# Altium PCB PCB2.PcbDoc (part 1 of 4)
Units mil, origin at the board's own origin, x right, y up, seen from the top; angles counter-clockwise.
Board outline 9200.4 x 4356.3 mil, 4 copper layers (Top Layer, Layer 1, Layer 2, Bottom Layer), stack 23.756 mil thick; 338 components, 1355 nets, 1355 pads, 694 vias.
Unrouted connection lines stored in the file: 1569.
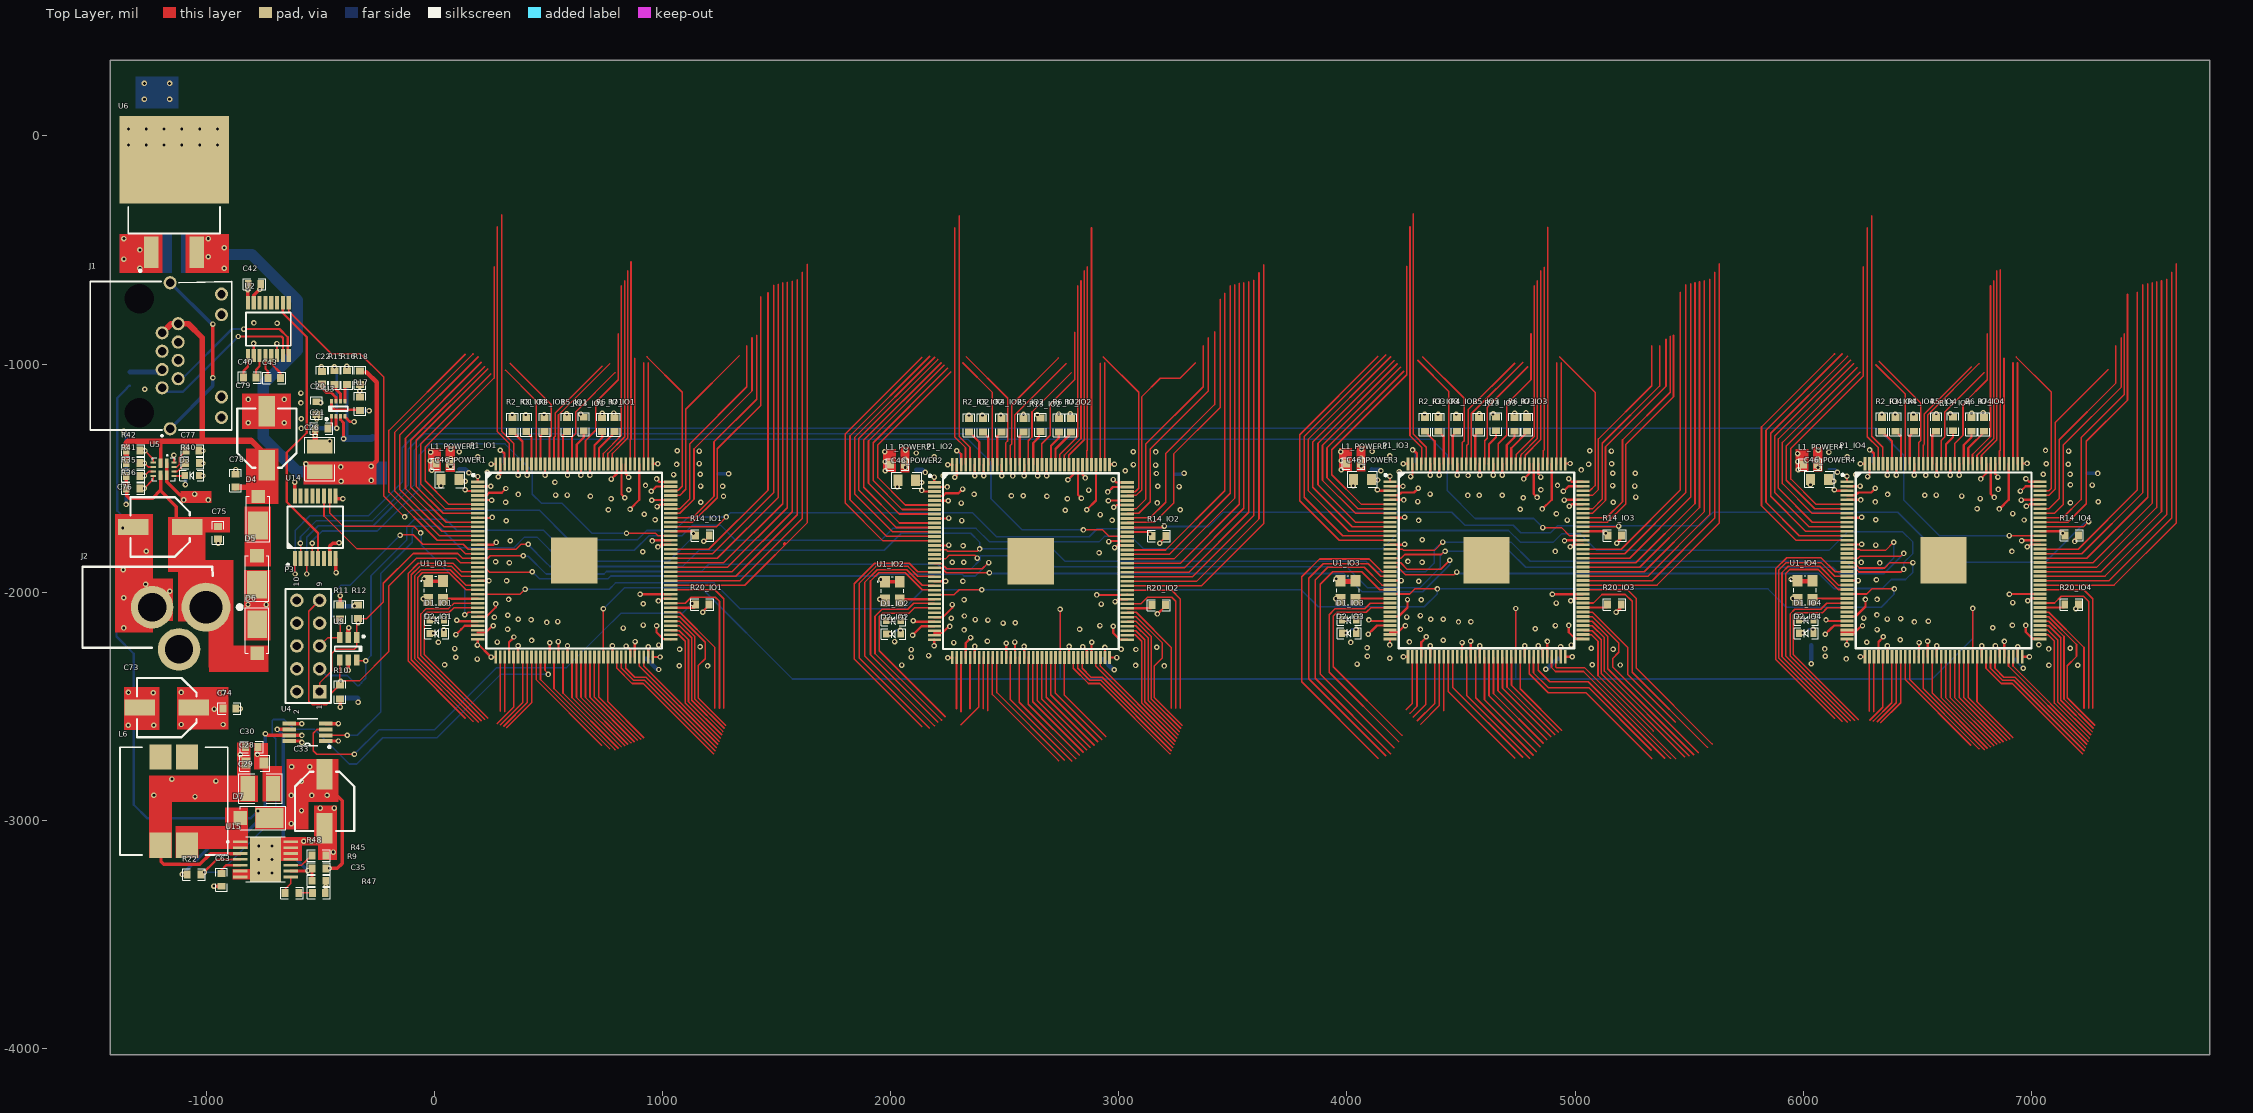
[diagram p0: Top Layer view]
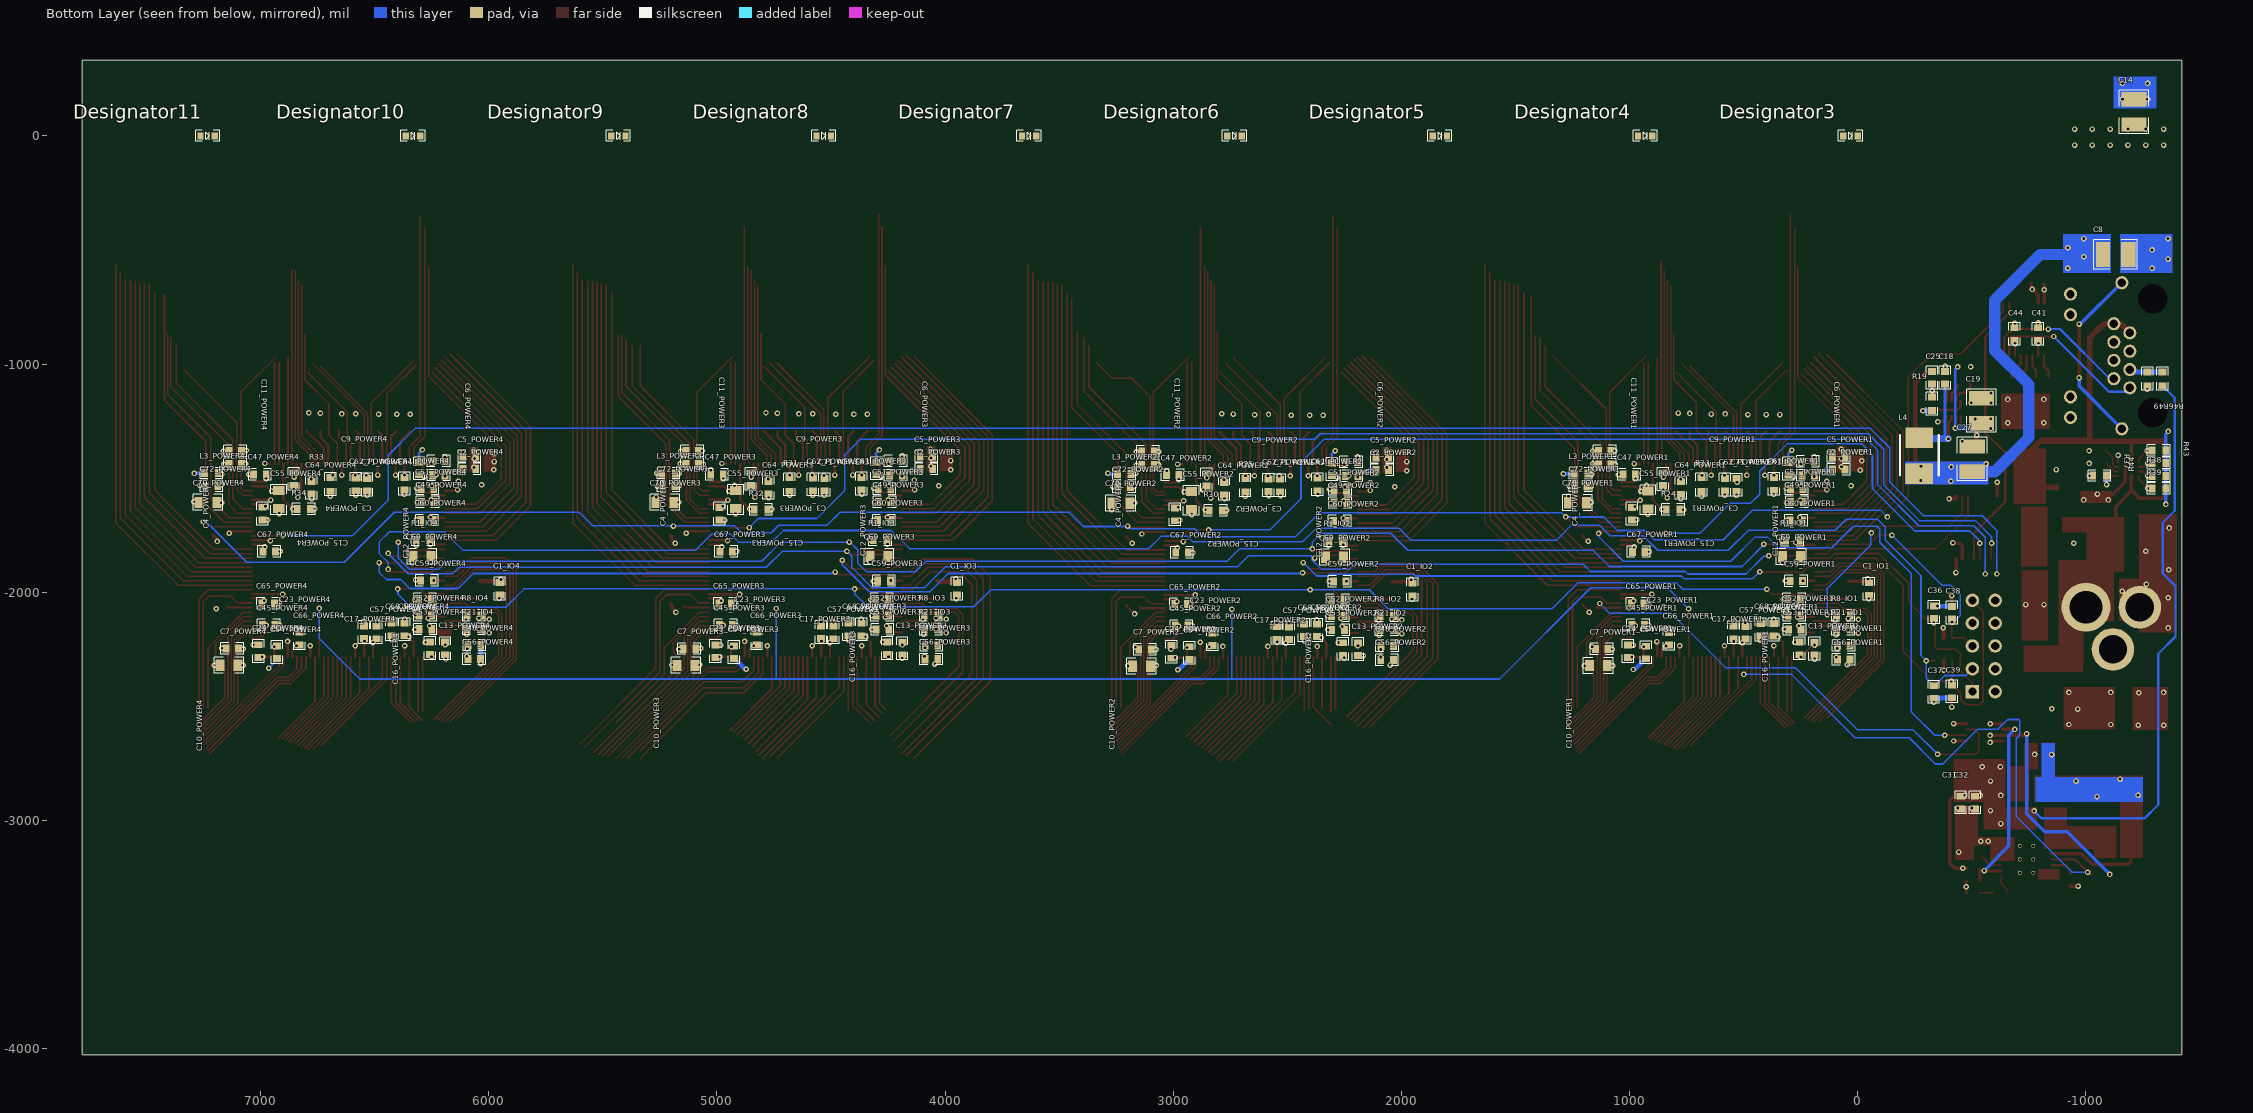
[diagram p1: Bottom Layer view, seen from below]
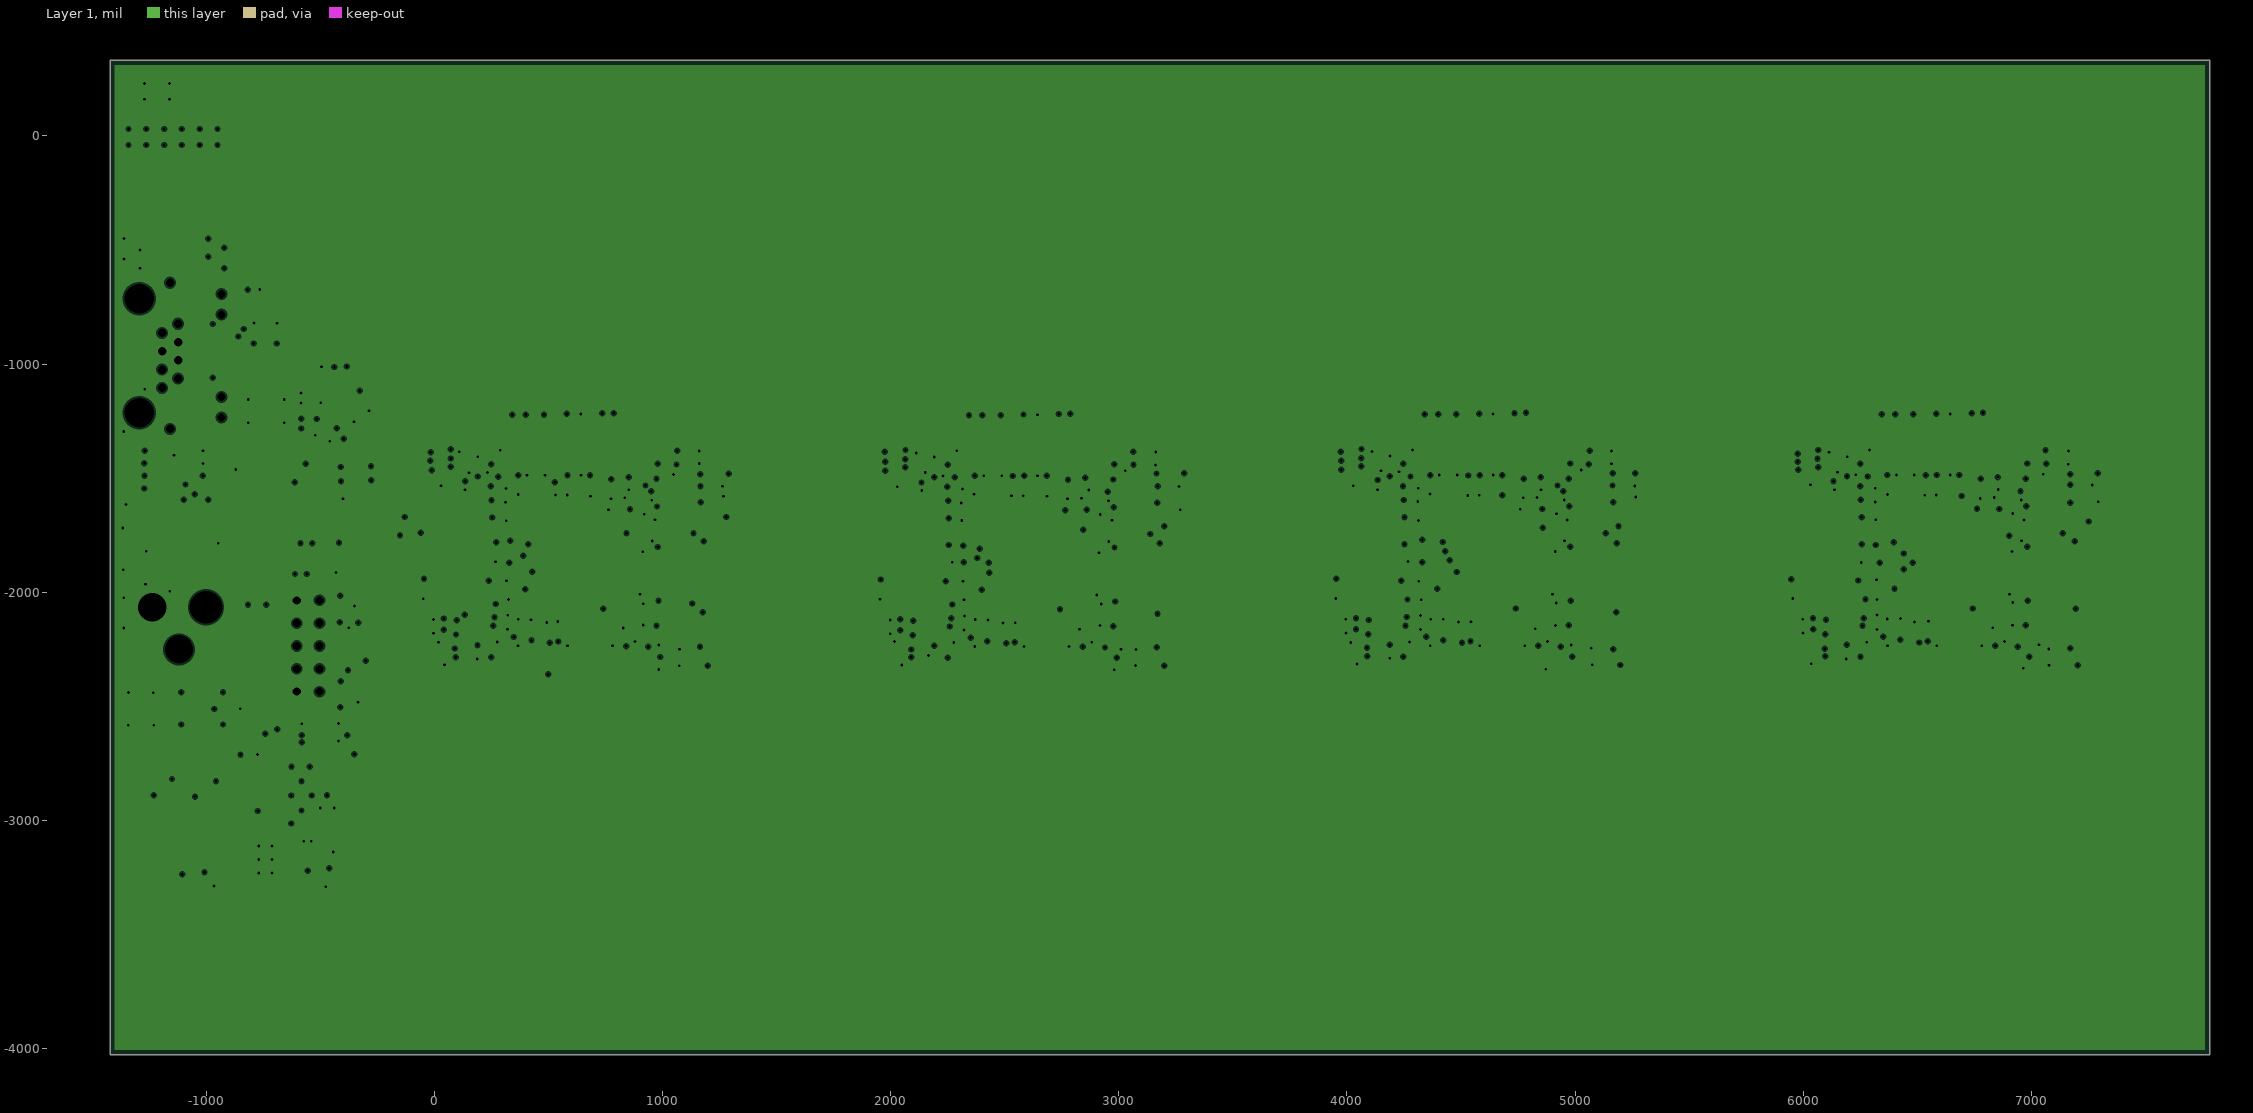
[diagram p2: Layer 1, clearances drawn from the general rule]
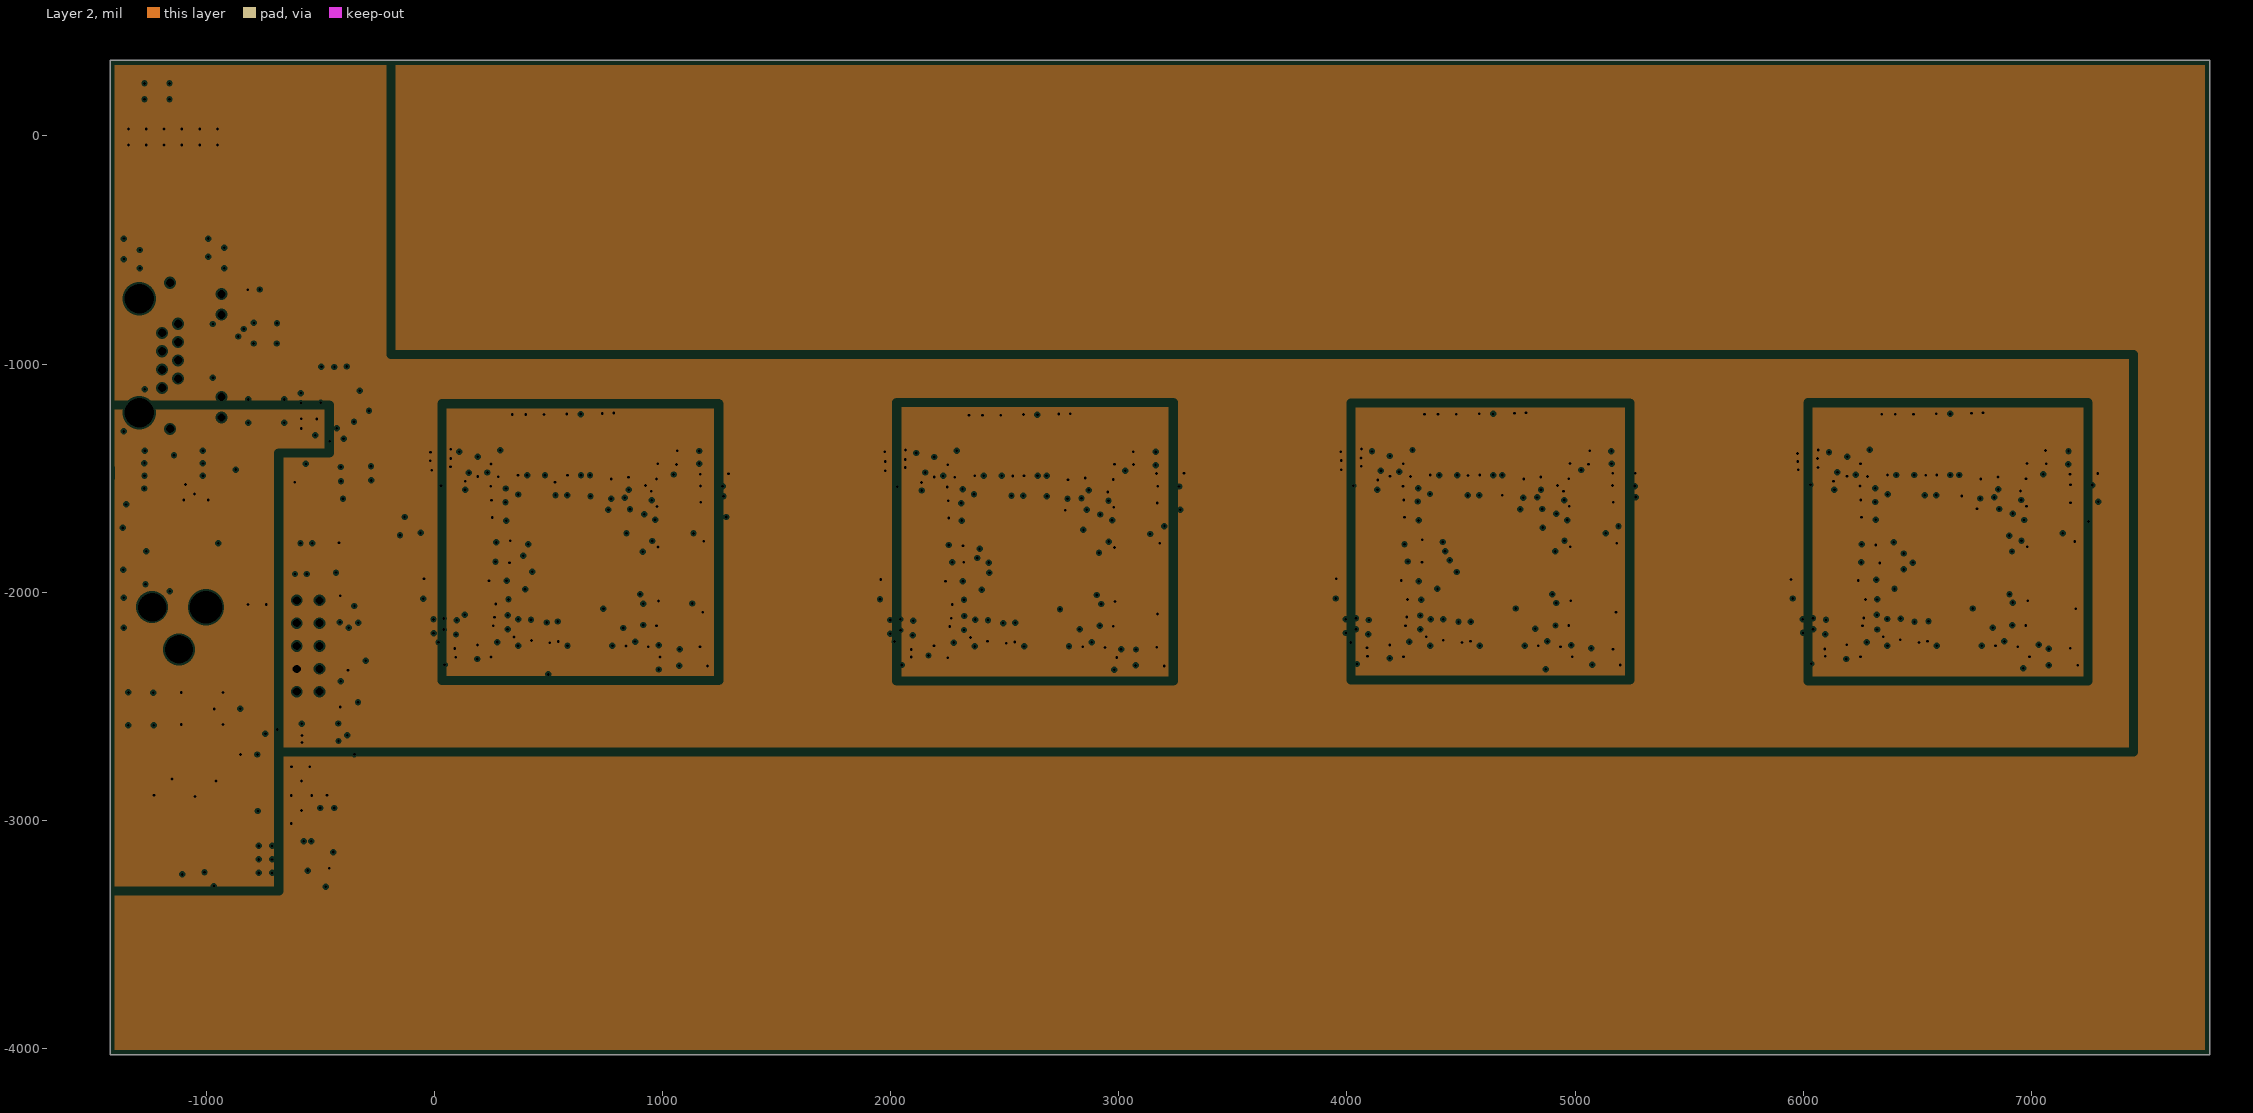
[diagram p3: Layer 2, clearances drawn from the general rule]
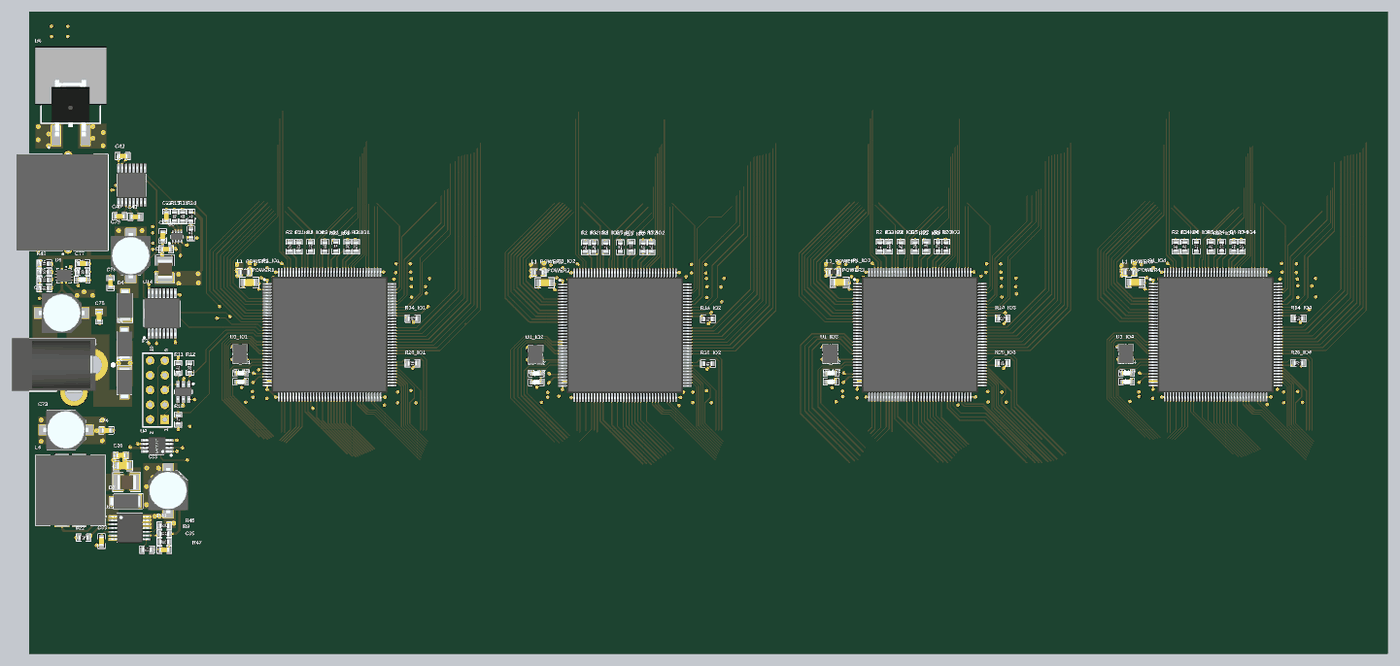
[diagram p7: 3D render of the assembled board from above, using the file's embedded part models]
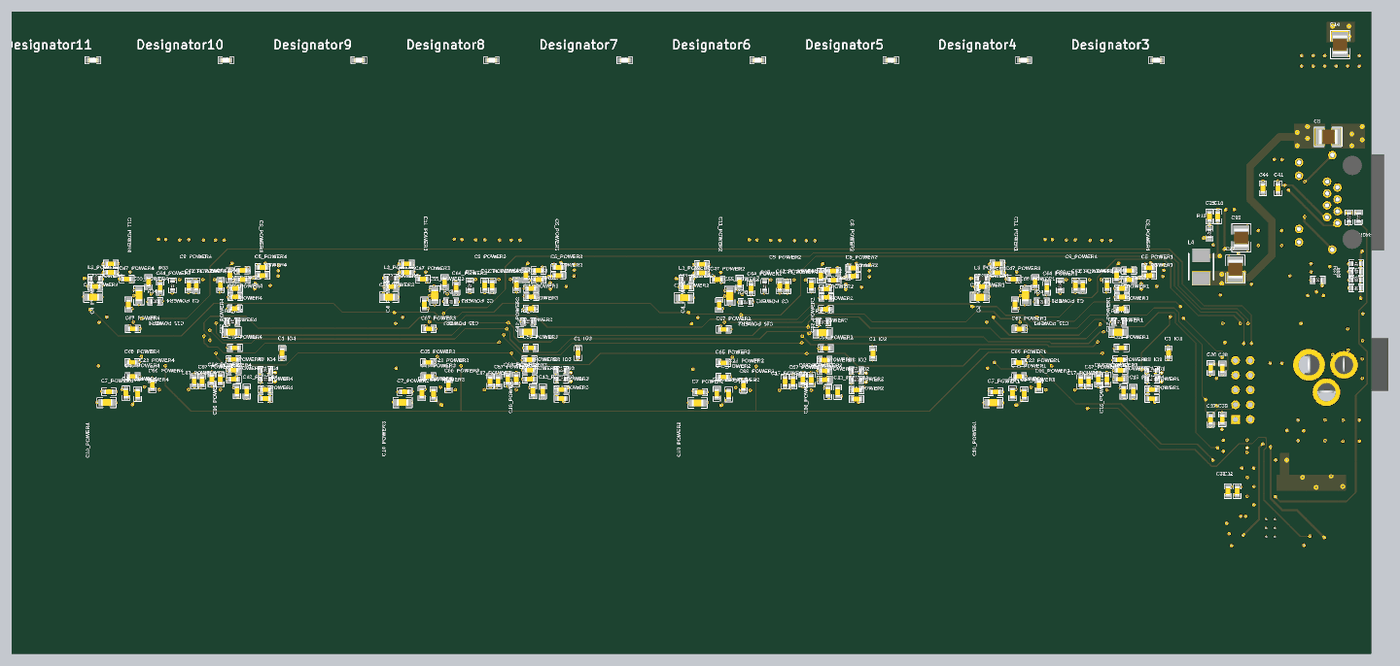
[diagram p8: 3D render of the assembled board from below, using the file's embedded part models]

## Layer stack, top to bottom
Top Solder: solder mask 0.4, Solder Resist, Dk 3.5
Top Layer: signal copper 1.4
Dielectric 2: prepreg 2.8, PP-006, Dk 4.1
Layer 1: plane copper 1.378, net GND
Dielectric 1: dielectric 12.6, FR-4, Dk 4.8
Layer 2: plane copper 1.378, net (Multiple Nets)
Dielectric 3: prepreg 2.8, PP-006, Dk 4.1
Bottom Layer: signal copper 1.4
Bottom Solder: solder mask 0.4, Solder Resist, Dk 3.5

## Board outline
-1420.4,-4025.8 7780,-4025.8 7780,330.5 -1420.4,330.5

## Design rules (kind name [scope] priority, off if disabled: settings)
Clearance [All] p1: gap=7 ignorepadtopadclearanceinfootprint=TRUE
ComponentClearance [All] p1: gap=0 collisioncheckmode=3 verticalgap=0 showdistances=FALSE
HoleSize [All] p1: absolutevalues=TRUE maxlimit=200 minlimit=1 maxpercent=80.000 minpercent=20.000
MinimumSolderMaskSliver [All] p1: minsoldermaskwidth=0
PlaneClearance [All] p1: clearance=8
PlaneConnect [All] p1: planeconnectstyle=Relief reliefexpansion=10 reliefentries=4 reliefconductorwidth=10 reliefairgap=10
PolygonConnect [All] p1: connectstyle=Relief reliefconductorwidth=10 reliefentries=4 polygonreliefangle="90 Angle" airgapwidth=10
RoomDefinition IO2 [InComponentClass('IO2')] p1: confinementstyle=ConfineIn formatcopy=TRUE lockcomponents=FALSE outline 1920,-2320 3230,-2320 3230,-1210 1920,-1210
RoomDefinition POWER2 [InComponentClass('POWER2')] p2: confinementstyle=ConfineIn formatcopy=TRUE lockcomponents=FALSE outline 2000,-2370 3300,-2370 3300,-1350 2000,-1350
RoomDefinition POWER4 [InComponentClass('POWER4')] p3: confinementstyle=ConfineIn formatcopy=TRUE lockcomponents=FALSE outline 6000,-2360 7300,-2360 7300,-1350 6000,-1350
RoomDefinition POWER3 [InComponentClass('POWER3')] p4: confinementstyle=ConfineIn formatcopy=TRUE lockcomponents=FALSE outline 4000,-2360 5300,-2360 5300,-1350 4000,-1350
RoomDefinition POWER1 [InComponentClass('POWER1')] p5: confinementstyle=ConfineIn formatcopy=TRUE lockcomponents=FALSE outline 0,-2360 1300,-2360 1300,-1350 0,-1350
RoomDefinition IO4 [InComponentClass('IO4')] p6: confinementstyle=ConfineIn formatcopy=TRUE lockcomponents=FALSE outline 5920,-2320 7230,-2320 7230,-1200 5920,-1200
RoomDefinition IO3 [InComponentClass('IO3')] p7: confinementstyle=ConfineIn formatcopy=TRUE lockcomponents=FALSE outline 3920,-2320 5230,-2320 5230,-1200 3920,-1200
RoomDefinition IO1 [InComponentClass('IO1')] p8: confinementstyle=ConfineIn formatcopy=TRUE lockcomponents=FALSE outline -80,-2320 1230,-2320 1230,-1210 -80,-1210
RoutingVias [All] p1: holewidth=12 width=24 viastyle="Through Hole" minholewidth=12 minwidth=24 maxholewidth=28 maxwidth=50
SilkToSilkClearance [All] p1: silktosilkclearance=0
SilkToSolderMaskClearance [IsPad] p1: minsilkscreentomaskgap=0 clearancetoexposedcopper=TRUE
SolderMaskExpansion [All] p1: expansion=4 istentingtop=FALSE
Width [All] p1: maxlimit=50 minlimit=7 preferedwidth=7 minimp=50.000000 maximp=50.000000 favimp=50.000000
23 further rules are at their usual default settings.

## Classes and differential pairs
component class U_VoltageAmplifier184: C34_U_VoltageAmplifier184 R26_U_VoltageAmplifier184 R27_U_VoltageAmplifier184 R28_U_VoltageAmplifier184 R29_U_VoltageAmplifier184 U9_U_VoltageAmplifier184
component class U_VoltageAmplifier183: C34_U_VoltageAmplifier183 R26_U_VoltageAmplifier183 R27_U_VoltageAmplifier183 R28_U_VoltageAmplifier183 R29_U_VoltageAmplifier183 U9_U_VoltageAmplifier183
component class U_VoltageAmplifier182: C34_U_VoltageAmplifier182 R26_U_VoltageAmplifier182 R27_U_VoltageAmplifier182 R28_U_VoltageAmplifier182 R29_U_VoltageAmplifier182 U9_U_VoltageAmplifier182
component class U_VoltageAmplifier181: C34_U_VoltageAmplifier181 R26_U_VoltageAmplifier181 R27_U_VoltageAmplifier181 R28_U_VoltageAmplifier181 R29_U_VoltageAmplifier181 U9_U_VoltageAmplifier181
component class U_VoltageAmplifier164: C34_U_VoltageAmplifier164 R26_U_VoltageAmplifier164 R27_U_VoltageAmplifier164 R28_U_VoltageAmplifier164 R29_U_VoltageAmplifier164 U9_U_VoltageAmplifier164
component class U_VoltageAmplifier163: C34_U_VoltageAmplifier163 R26_U_VoltageAmplifier163 R27_U_VoltageAmplifier163 R28_U_VoltageAmplifier163 R29_U_VoltageAmplifier163 U9_U_VoltageAmplifier163
component class U_VoltageAmplifier162: C34_U_VoltageAmplifier162 R26_U_VoltageAmplifier162 R27_U_VoltageAmplifier162 R28_U_VoltageAmplifier162 R29_U_VoltageAmplifier162 U9_U_VoltageAmplifier162
component class U_VoltageAmplifier161: C34_U_VoltageAmplifier161 R26_U_VoltageAmplifier161 R27_U_VoltageAmplifier161 R28_U_VoltageAmplifier161 R29_U_VoltageAmplifier161 U9_U_VoltageAmplifier161
component class U_VoltageAmplifier124: C34_U_VoltageAmplifier124 R26_U_VoltageAmplifier124 R27_U_VoltageAmplifier124 R28_U_VoltageAmplifier124 R29_U_VoltageAmplifier124 U9_U_VoltageAmplifier124
component class U_VoltageAmplifier123: C34_U_VoltageAmplifier123 R26_U_VoltageAmplifier123 R27_U_VoltageAmplifier123 R28_U_VoltageAmplifier123 R29_U_VoltageAmplifier123 U9_U_VoltageAmplifier123
component class U_VoltageAmplifier122: C34_U_VoltageAmplifier122 R26_U_VoltageAmplifier122 R27_U_VoltageAmplifier122 R28_U_VoltageAmplifier122 R29_U_VoltageAmplifier122 U9_U_VoltageAmplifier122
component class U_VoltageAmplifier121: C34_U_VoltageAmplifier121 R26_U_VoltageAmplifier121 R27_U_VoltageAmplifier121 R28_U_VoltageAmplifier121 R29_U_VoltageAmplifier121 U9_U_VoltageAmplifier121
component class U_VoltageAmplifier104: C34_U_VoltageAmplifier104 R26_U_VoltageAmplifier104 R27_U_VoltageAmplifier104 R28_U_VoltageAmplifier104 R29_U_VoltageAmplifier104 U9_U_VoltageAmplifier104
component class U_VoltageAmplifier103: C34_U_VoltageAmplifier103 R26_U_VoltageAmplifier103 R27_U_VoltageAmplifier103 R28_U_VoltageAmplifier103 R29_U_VoltageAmplifier103 U9_U_VoltageAmplifier103
component class U_VoltageAmplifier102: C34_U_VoltageAmplifier102 R26_U_VoltageAmplifier102 R27_U_VoltageAmplifier102 R28_U_VoltageAmplifier102 R29_U_VoltageAmplifier102 U9_U_VoltageAmplifier102
component class U_VoltageAmplifier101: C34_U_VoltageAmplifier101 R26_U_VoltageAmplifier101 R27_U_VoltageAmplifier101 R28_U_VoltageAmplifier101 R29_U_VoltageAmplifier101 U9_U_VoltageAmplifier101
component class U_VoltageAmplifier64: C34_U_VoltageAmplifier64 R26_U_VoltageAmplifier64 R27_U_VoltageAmplifier64 R28_U_VoltageAmplifier64 R29_U_VoltageAmplifier64 U9_U_VoltageAmplifier64
component class U_VoltageAmplifier63: C34_U_VoltageAmplifier63 R26_U_VoltageAmplifier63 R27_U_VoltageAmplifier63 R28_U_VoltageAmplifier63 R29_U_VoltageAmplifier63 U9_U_VoltageAmplifier63
component class U_VoltageAmplifier62: C34_U_VoltageAmplifier62 R26_U_VoltageAmplifier62 R27_U_VoltageAmplifier62 R28_U_VoltageAmplifier62 R29_U_VoltageAmplifier62 U9_U_VoltageAmplifier62
component class U_VoltageAmplifier61: C34_U_VoltageAmplifier61 R26_U_VoltageAmplifier61 R27_U_VoltageAmplifier61 R28_U_VoltageAmplifier61 R29_U_VoltageAmplifier61 U9_U_VoltageAmplifier61
component class U_VoltageAmplifier44: C34_U_VoltageAmplifier44 R26_U_VoltageAmplifier44 R27_U_VoltageAmplifier44 R28_U_VoltageAmplifier44 R29_U_VoltageAmplifier44 U9_U_VoltageAmplifier44
component class U_VoltageAmplifier43: C34_U_VoltageAmplifier43 R26_U_VoltageAmplifier43 R27_U_VoltageAmplifier43 R28_U_VoltageAmplifier43 R29_U_VoltageAmplifier43 U9_U_VoltageAmplifier43
component class U_VoltageAmplifier42: C34_U_VoltageAmplifier42 R26_U_VoltageAmplifier42 R27_U_VoltageAmplifier42 R28_U_VoltageAmplifier42 R29_U_VoltageAmplifier42 U9_U_VoltageAmplifier42
component class U_VoltageAmplifier41: C34_U_VoltageAmplifier41 R26_U_VoltageAmplifier41 R27_U_VoltageAmplifier41 R28_U_VoltageAmplifier41 R29_U_VoltageAmplifier41 U9_U_VoltageAmplifier41
channel class VoltageAmplifier_1xFPGA: U_VoltageAmplifier11 U_VoltageAmplifier12 U_VoltageAmplifier13 U_VoltageAmplifier14 U_VoltageAmplifier21 U_VoltageAmplifier22 U_VoltageAmplifier23 U_VoltageAmplifier24 U_VoltageAmplifier31 U_VoltageAmplifier32 U_VoltageAmplifier33 U_VoltageAmplifier34 U_VoltageAmplifier41 U_VoltageAmplifier42 U_VoltageAmplifier43 U_VoltageAmplifier44 U_VoltageAmplifier51 U_VoltageAmplifier52 U_VoltageAmplifier53 U_VoltageAmplifier54 U_VoltageAmplifier61 U_VoltageAmplifier62 U_VoltageAmplifier63 U_VoltageAmplifier64 U_VoltageAmplifier71 U_VoltageAmplifier72 U_VoltageAmplifier73 U_VoltageAmplifier74 U_VoltageAmplifier81 U_VoltageAmplifier82 U_VoltageAmplifier83 U_VoltageAmplifier84 U_VoltageAmplifier91 U_VoltageAmplifier92 U_VoltageAmplifier93 U_VoltageAmplifier94 U_VoltageAmplifier101 U_VoltageAmplifier102 U_VoltageAmplifier103 U_VoltageAmplifier104 U_VoltageAmplifier111 U_VoltageAmplifier112 U_VoltageAmplifier113 U_VoltageAmplifier114 U_VoltageAmplifier121 U_VoltageAmplifier122 U_VoltageAmplifier123 U_VoltageAmplifier124 U_VoltageAmplifier131 U_VoltageAmplifier132 U_VoltageAmplifier133 U_VoltageAmplifier134 U_VoltageAmplifier141 U_VoltageAmplifier142 U_VoltageAmplifier143 U_VoltageAmplifier144 U_VoltageAmplifier151 U_VoltageAmplifier152 U_VoltageAmplifier153 U_VoltageAmplifier154 U_VoltageAmplifier161 U_VoltageAmplifier162 U_VoltageAmplifier163 U_VoltageAmplifier164 U_VoltageAmplifier171 U_VoltageAmplifier172 U_VoltageAmplifier173 U_VoltageAmplifier174 U_VoltageAmplifier181 U_VoltageAmplifier182 U_VoltageAmplifier183 U_VoltageAmplifier184 U_VoltageAmplifier191 U_VoltageAmplifier192 U_VoltageAmplifier193 U_VoltageAmplifier194 U_VoltageAmplifier201 U_VoltageAmplifier202 U_VoltageAmplifier203 U_VoltageAmplifier204 U_VoltageAmplifier211 U_VoltageAmplifier212 U_VoltageAmplifier213 U_VoltageAmplifier214 U_VoltageAmplifier221 U_VoltageAmplifier222 U_VoltageAmplifier223 U_VoltageAmplifier224 U_VoltageAmplifier231 U_VoltageAmplifier232 U_VoltageAmplifier233 U_VoltageAmplifier234 U_VoltageAmplifier241 U_VoltageAmplifier242 U_VoltageAmplifier243 U_VoltageAmplifier244 U_VoltageAmplifier251 U_VoltageAmplifier252 U_VoltageAmplifier253 U_VoltageAmplifier254 U_VoltageAmplifier261 U_VoltageAmplifier262 U_VoltageAmplifier263 U_VoltageAmplifier264 U_VoltageAmplifier271 U_VoltageAmplifier272 U_VoltageAmplifier273 U_VoltageAmplifier274 U_VoltageAmplifier281 U_VoltageAmplifier282 U_VoltageAmplifier283 U_VoltageAmplifier284 U_VoltageAmplifier291 U_VoltageAmplifier292 U_VoltageAmplifier293 U_VoltageAmplifier294 U_VoltageAmplifier301 U_VoltageAmplifier302 U_VoltageAmplifier303 U_VoltageAmplifier304 U_VoltageAmplifier311 U_VoltageAmplifier312 U_VoltageAmplifier313 U_VoltageAmplifier314 U_VoltageAmplifier321 U_VoltageAmplifier322 U_VoltageAmplifier323 U_VoltageAmplifier324 U_VoltageAmplifier331 U_VoltageAmplifier332 U_VoltageAmplifier333 U_VoltageAmplifier334 U_VoltageAmplifier341 U_VoltageAmplifier342 U_VoltageAmplifier343 U_VoltageAmplifier344 U_VoltageAmplifier351 U_VoltageAmplifier352 U_VoltageAmplifier353 U_VoltageAmplifier354 U_VoltageAmplifier361 U_VoltageAmplifier362 U_VoltageAmplifier363 U_VoltageAmplifier364 U_VoltageAmplifier371 U_VoltageAmplifier372 U_VoltageAmplifier373 U_VoltageAmplifier374 U_VoltageAmplifier381 U_VoltageAmplifier382 U_VoltageAmplifier383 U_VoltageAmplifier384
net class V_OUT[300..1]: V_OUT1 V_OUT2 V_OUT3 V_OUT4 V_OUT5 V_OUT6 V_OUT7 V_OUT8 V_OUT9 V_OUT10 V_OUT11 V_OUT12 V_OUT13 V_OUT14 V_OUT15 V_OUT16 V_OUT17 V_OUT18 V_OUT19 V_OUT20 V_OUT21 V_OUT22 V_OUT23 V_OUT24 V_OUT25 V_OUT26 V_OUT27 V_OUT28 V_OUT29 V_OUT30 V_OUT31 V_OUT32 V_OUT33 V_OUT34 V_OUT35 V_OUT36 V_OUT37 V_OUT38 V_OUT39 V_OUT40 V_OUT41 V_OUT42 V_OUT43 V_OUT44 V_OUT45 V_OUT46 V_OUT47 V_OUT48 V_OUT49 V_OUT50 V_OUT51 V_OUT52 V_OUT53 V_OUT54 V_OUT55 V_OUT56 V_OUT57 V_OUT58 V_OUT59 V_OUT60 V_OUT61 V_OUT62 V_OUT63 V_OUT64 V_OUT65 V_OUT66 V_OUT67 V_OUT68 V_OUT69 V_OUT70 V_OUT71 V_OUT72 V_OUT73 V_OUT74 V_OUT75 V_OUT76 V_OUT76_U_VoltageAmplifier_1xFPGA1 V_OUT76_U_VoltageAmplifier_1xFPGA2 V_OUT76_U_VoltageAmplifier_1xFPGA3 V_OUT76_U_VoltageAmplifier_1xFPGA4 V_OUT77 V_OUT78 V_OUT79 V_OUT80 V_OUT81 V_OUT82 V_OUT83 V_OUT84 V_OUT85 V_OUT86 V_OUT87 V_OUT88 V_OUT89 V_OUT90 V_OUT91 V_OUT92 V_OUT93 V_OUT94 V_OUT95 V_OUT96 V_OUT97 V_OUT98 V_OUT99 V_OUT100 V_OUT101 V_OUT102 V_OUT103 V_OUT104 V_OUT105 V_OUT106 V_OUT107 V_OUT108 V_OUT109 V_OUT110 V_OUT111 V_OUT112 V_OUT113 V_OUT114 V_OUT115 V_OUT116 V_OUT117 V_OUT118 V_OUT119 V_OUT120 V_OUT121 V_OUT122 V_OUT123 V_OUT124 V_OUT125 V_OUT126 V_OUT127 V_OUT128 V_OUT129 V_OUT130 V_OUT131 V_OUT132 V_OUT133 V_OUT134 V_OUT135 V_OUT136 V_OUT137 V_OUT138 V_OUT139 V_OUT140 V_OUT141 V_OUT142 V_OUT143 V_OUT144 V_OUT145 V_OUT146 V_OUT147 V_OUT148 V_OUT149 V_OUT150 V_OUT151 V_OUT152 V_OUT153 V_OUT154 V_OUT155 V_OUT156 V_OUT157 V_OUT158 V_OUT159 V_OUT160 V_OUT161 V_OUT162 V_OUT163 V_OUT164 V_OUT165 V_OUT166 V_OUT167 V_OUT168 V_OUT169 V_OUT170 V_OUT171 V_OUT172 V_OUT173 V_OUT174 V_OUT175 V_OUT176 V_OUT177 V_OUT178 V_OUT179 V_OUT180 V_OUT181 V_OUT182 V_OUT183 V_OUT184 V_OUT185 V_OUT186 V_OUT187 V_OUT188 V_OUT189 V_OUT190 V_OUT191 V_OUT192 V_OUT193 V_OUT194 V_OUT195 V_OUT196 V_OUT197 V_OUT198 V_OUT199 V_OUT200 V_OUT201 V_OUT202 V_OUT203 V_OUT204 V_OUT205 V_OUT206 V_OUT207 V_OUT208 V_OUT209 V_OUT210 V_OUT211 V_OUT212 V_OUT213 V_OUT214 V_OUT215 V_OUT216 V_OUT217 V_OUT218 V_OUT219 V_OUT220 V_OUT221 V_OUT222 V_OUT223 V_OUT224 V_OUT225 V_OUT226 V_OUT227 V_OUT228 V_OUT229 V_OUT230 V_OUT231 V_OUT232 V_OUT233 V_OUT234 V_OUT235 V_OUT236 V_OUT237 V_OUT238 V_OUT239 V_OUT240 V_OUT241 V_OUT242 V_OUT243 V_OUT244 V_OUT245 V_OUT246 V_OUT247 V_OUT248 V_OUT249 V_OUT250 V_OUT251 V_OUT252 V_OUT253 V_OUT254 V_OUT255 V_OUT256 V_OUT257 V_OUT258 V_OUT259 V_OUT260 V_OUT261 V_OUT262 V_OUT263 V_OUT264 V_OUT265 V_OUT266 V_OUT267 V_OUT268 V_OUT269 V_OUT270 V_OUT271 V_OUT272 V_OUT273 V_OUT274 V_OUT275 V_OUT276 V_OUT277 V_OUT278 V_OUT279 V_OUT280 V_OUT281 V_OUT282 V_OUT283 V_OUT284 V_OUT285 V_OUT286 V_OUT287 V_OUT288 V_OUT289 V_OUT290 V_OUT291 V_OUT292 V_OUT293 V_OUT294 V_OUT295 V_OUT296 V_OUT297 V_OUT298 V_OUT299 V_OUT300